# Allegro board RUBUS_20173009.brd (continued)
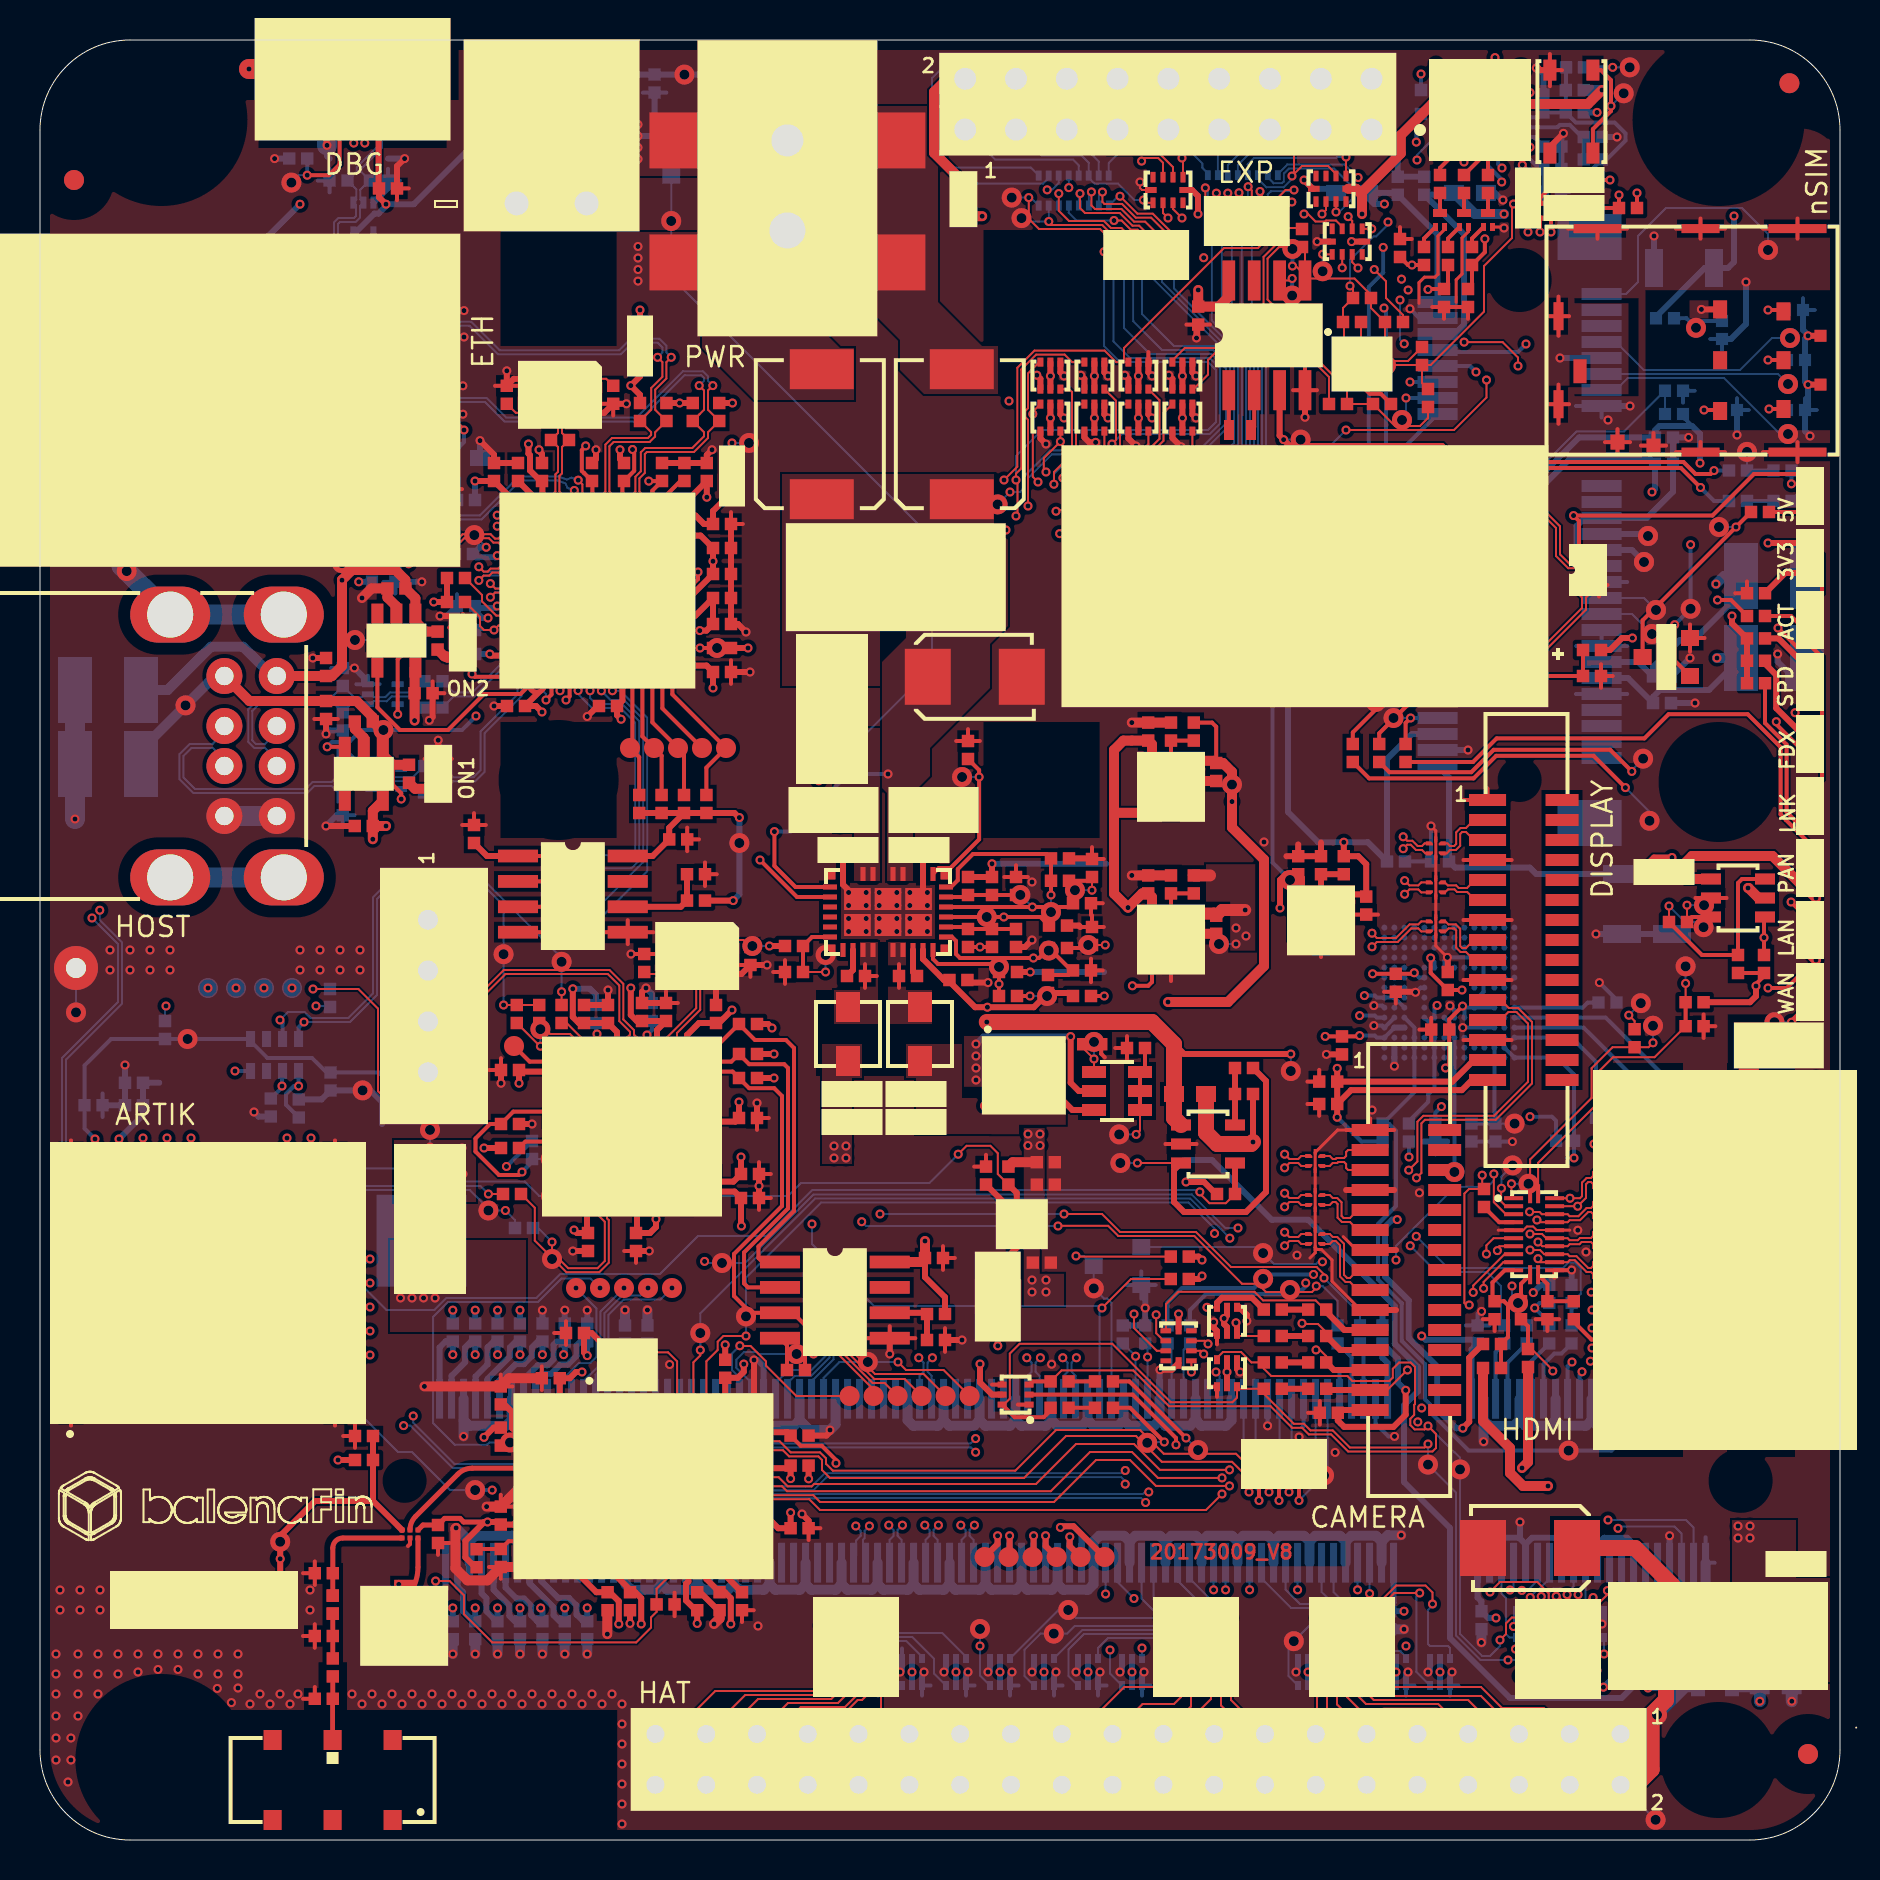
[diagram p0: board, top side]
## Routing (per net, layer and track width the routed paths; a pad name or vN(x,y) marks a point on that pad's centre or on a via; arc(x,y) is an arc through that point) (continued)
+1V8: length 28.7
  TOP w0.3: R21.2 57.93,29.17 v1(58.1,29) ; Y5.4 27.58,25.35 C231.1 27.2,24.38 v1(27.36,24.22) ; v1(58.1,28.2) 57.95,28.05 R22.2
  TOP w0.6: U5.4 58.7,46.32 C39.1 59.1,46.5 v1(60.26,46.5) ; R42.2 58.5,48.23
  BOTTOM w0.1: v2(58.95,44.8) v1(59.8,44.8)
  BOTTOM w0.3: J2.184 24.78,23.01 25.08,23.31 25.56,23.31 26.01,23.77 26.39,23.77 26.83,24.2 26.83,24.73 27.03,24.93 C14.1 v1(27.36,24.22) ; J2.183 25.08,12.93 25.91,12.1 26.45,12.1 26.83,11.72 26.83,11.27 27.16,10.94 C13.2 v1(27.36,11.6) ; v1(26.18,24.27) 26.24,24.33 26.24,24.92 ; J2.185 24.48,12.83 25.68,11.63 25.68,11.24 25.98,10.94 C15.2 v1(26.24,11.6) ; 26.24,24.92 C16.1 ; 26.24,24.92 25.83,24.92 25.68,24.77 25.68,24.04 25.38,23.74 24.89,23.74 24.18,23.03 J2.186
  vias: v1(59.8,45.6) v1(60.3,45.2)
+1V8_CORE: length 16.8
  TOP w0.3: v1(32.99,60.47) 33.32,60.47 C182.1 C184.1 32.77,61.22 U22.38 ; v1(22.49,59.3) 22.57,59.22 U22.15
  INT1 w0.5: v1(32.99,60.47) 32.32,59.8 22.99,59.8 v1(22.49,59.3)
  BOTTOM w0.3: v1(22.49,59.3) C183.2
+1V8_ETHPLL: length 3.6
  TOP w0.3: U22.48 32.78,66.22 33.2,65.8 C186.1 33.65,66.45 L21.2
+1V8_USBPLL: length 16.1
  TOP w0.3: L21.1 v1(34.6,69.85) ; U22.62 25.12,67.93 C185.2 25.03,67.95 24.5,68.48 24.5,69.24 24.42,69.32 v1(24.42,69.8)
  INT2 w0.3: v1(34.6,69.85) 33.78,70.67 24.97,70.67 24.42,70.12 v1(24.42,69.8)
  BOTTOM w0.1: v2(35.45,69.85) v1(34.6,69.85)
+1V8_VCORE: length 28.3
  TOP w0.3: v1(34.6,41.5) 33.95,40.85 C157.2 32.95,40.85 32.35,40.25 U8.2 ; U8.43 34.73,32.42 C167.1 35.05,30.72 v1(35.07,30.7) ; v1(26.7,30.5) 26.85,30.35 C163.1 27.35,30.4 U8.31
  POWER w0.3: v1(34.6,41.5) 34.39,41.29 34.39,31.38 v1(35.07,30.7) 35.05,30.7 34.7,30.35 26.85,30.35 v1(26.7,30.5)
+1V8_WIFI: length 58.7
  TOP w0.2: C195.2 37.53,20.22 38.04,19.71 39.09,19.71 39.8,19 v1(39.8,18.84)
  TOP w0.3: v1(28.94,10.8) 28.94,11.94 28.49,12.39 C197.2 27.82,12.39 MOD1.L9 ; v1(27.1,23.4) 26.8,23.4 26.49,23.09 C196.2 25.99,21.42 MOD1.L1 ; v1(34.54,10.8) 34.54,12.09 34.24,12.39 C194.2 33.32,13.05 MOD1.C9 ; v1(30.06,10.8) 30.06,12.09 29.76,12.39 C198.2 29.5,12.51 MOD1.J9 ; C195.2 37.36,20.39 MOD1.B2
  POWER w0.3: 30.06,10.94 30.14,11.02 30.14,11.03 30.42,11.3 30.81,11.3 34.04,11.3 v1(34.54,10.8) 34.54,18.44 35.1,19 39.64,19 v1(39.8,18.84) ; 30.06,10.94 29.7,11.3 29.3,11.3 28.94,10.94 v1(28.94,10.8) 26.37,10.8 25.77,11.41 25.77,22.77 26.4,23.4 v1(27.1,23.4) ; 30.06,10.94 v1(30.06,10.8)
+2V8: length 94.4
  TOP w0.2: C27.1 58.81,55.66 58.6,55.87 R35.2
  TOP w0.5: U2.4 58.7,53.96 C27.1 59.15,53.85 59.6,53.4 v1(59.6,51.92) 59.6,50.62 61.2,49.02 61.2,43.7 59.4,41.9 v1(56.4,41.9)
  POWER w0.3: v1(25.03,11.6) 25.12,11.69 v1(25.12,24.27)
  POWER w0.5: v1(56.4,41.9) 56.4,31.5 56,31.1 52.93,31.1 52.43,30.6 52.43,23.91 51.72,23.2 31,23.2 29.3,24.9 25.62,24.9 25.12,24.4 v1(25.12,24.27)
  BOTTOM w0.1: v2(59.6,52.77) v1(59.6,51.92)
  BOTTOM w0.3: v1(25.12,24.27) C18.1 24.9,24.93 24.6,24.63 24.6,24.2 24.2,23.79 23.78,23.79 22.98,22.99 J2.190 ; v1(25.03,11.6) 25.12,11.52 C17.2 24.86,10.94 24.56,11.24 24.56,11.71 24.2,12.08 23.82,12.08 23.28,12.62 J2.189
+3V3: length 359.5
  TOP w0.1: R283.2 66.05,74.59 65.26,73.8 ; Q18.5 67.15,73.95 68.4,73.95 R282.1
  TOP w0.2: RR15.14 RR15.13 RR15.12 ; RR15.14 61.45,19 v1(61.4,18.95) ; RR15.14 RR15.15 RR15.16 ; v1(64.26,40.18) C109.2 65.94,40.18 v1(65.98,40.22) ; v1(71.13,41.7) 70.46,41.03 C111.2 70.46,38.78 v1(70.28,38.6) ; v1(56.8,19.76) 56.8,20.1 54.63,22.27 DS1.2 ; R271.2 R273.2 86.2,43.2 85.8,42.8 v1(85.8,42.7) ; v1(66.63,43.31) C112.2 68.66,43.31 v1(68.71,43.36) ; U5.1 55.6,42.9 55.41,42.71 v1(54.62,42.71) ; Q18.2 v1(65.9,73.8) Q18.5 ; v1(69.53,44.1) 69.53,43.35 70.39,42.5 C110.2 v1(71.1,42.5)
  TOP w0.25: 22.22,15.9 21.18,15.9 21,16.08 20.23,16.08 C210.2 19.15,15.75 U26.4
  TOP w0.3: J10.15 65.03,21.5 C61.1 64.89,20.98 65.21,20.66 67.67,20.66 68.28,21.27 v1(68.28,22.48) ; U22.33 33.33,58.72 C179.1 v1(33.65,57.6) ; J3.15 71.6,38 71.09,37.49 65.55,37.49 C11.1 ; R267.1 80.4,48.83 80.7,49.12 v1(81.6,49.12) ; v1(34.97,51.12) 34.95,51.12 34.72,51.35 R206.2 R207.2 ; MOD1.M6 24.69,16.79 23.67,15.77 C191.2 22.91,15.9 v1(22.38,15.9) 22.22,15.9 21.27,14.95 21.27,14.13 21.76,13.64 R220.1 ; R182.2 v1(47.89,24.71) ; v1(37.53,18.07) C192.2 37.4,18.59 MOD1.A4 ; U22.19 25.12,57.57 C181.1 24.8,56.7 v1(25.1,56.4) ; C12.1 70.62,37.92 71.7,39 J3.14 ; C12.1 v1(64.86,38.58) ; C12.1 C11.1 ; R207.2 R208.2 R209.2 ; R207.2 31.46,50.61 C140.1 30.63,49.2 U19.8 ; R169.2 v1(34.66,46.97) ; R219.1 22.69,20.62 v1(22.2,20.14) ; DS5.2 v1(59.35,23.4) DS5.5 ; DS4.5 59.35,25.65 59.21,25.79 v1(59.21,26.08) 59.35,26.22 DS4.2 ; R203.2 v1(35.4,59.6) ; v1(47,23.8) 47,22.88 47.61,22.27 48.1,22.27 ; v1(32.86,10.83) C190.2 32.79,11.49 32.3,11.98 32.3,12.8 32.42,12.92 MOD1.D9 ; v1(57.3,32.9) 58.2,32.9 58.8,32.3 R274.2 ; U6.1 62.87,44.68 62.55,45 62.55,46.96 62.87,47.28 U6.6 63.1,48.1 C43.1 62.29,48.29 62,48 v1(62,46.6) ; U22.39 U22.40 32.57,62.22 C178.1 v1(33.65,63.94) C177.1 33.03,65.22 U22.46 ; v1(85.8,42.7) 85.8,42.19 85.5,41.89 R2.2 ; R240.2 v1(14.9,19) ; v1(79.62,60.1) 79.1,60.1 78.5,59.5 R248.2 ; U22.27 29.12,56.97 C180.1 28.85,56.24 v1(29.05,56.04) ; v1(35.19,23.8) 35.19,23.41 34.89,23.11 C193.2 34.26,21.33 MOD1.B1 ; TVS2.10 v1(56.93,26.3) ; MOD1.A7 36.61,15.89 36.91,15.59 C189.2 v1(37.53,16.37) ; C11.1 v1(64.86,36.14) ; v1(19.69,61.9) R205.2 R212.2 ; L20.1 v1(30,76.5)
  TOP w0.5: U2.1 53.76,51.36 53.7,51.3 ; 53.7,51.3 53.7,54.5 54.17,54.97 C28.1 55.6,54.78 U2.6 ; 53.7,51.3 53.7,47.32 v1(54.4,46.62) 55.11,47.33 C40.1 55.6,47.14 U5.6 ; v1(85.4,47.6) 85.43,47.6 85.93,47.1 Q16.2 ; R245.1 74.4,18.9 v1(74.1,18.6)
  INT1 w0.2: v1(78.54,34.64) 78.54,35.86 77.9,36.5 74.74,36.5 74.5,36.26 v1(74.5,36.16)
  POWER w0.1: v1(35.19,23.8) 34.94,23.8
  POWER w0.3: 74.3,10.4 v1(74.3,10.7) 74.3,11.06 ; 45.8,8.9 v1(45.8,8.4) 45.8,7.92 ; 52.4,8.89 v1(52.4,8.4) 52.4,7.93 ; 54.6,7.97 v1(54.6,8.4) 54.6,8.85 ; 48,7.93 v1(48,8.4) 48,8.88 ; 41.4,8.12 v1(41.4,8.4) 41.4,8.89 ; 43.6,8.89 v1(43.6,8.4) 43.6,8.03 ; v1(37.53,16.37) v1(37.53,18.07) ; 50.2,8.9 v1(50.2,8.4) 50.2,7.94 ; v1(34.66,46.97) 29.82,46.97
  BOTTOM w0.2: 82.6,70.7 82.15,71.15 R246.2 ; R137.2 80.3,35.8 R136.2 80.17,34.58 79.87,34.27 78.91,34.27 v1(78.54,34.64) 78.7,34.8 R138.2 ; R135.2 75.8,35.96 75.6,36.16 v1(74.5,36.16) ; 71.2,41.62 U17.E6 U17.C6 ; 71.2,41.62 71.22,41.6 U17.F5 ; 71.2,41.62 v1(71.13,41.7) ; v1(68.71,43.36) 68.95,43.12 U17.K9 ; R133.2 v1(68.45,34.15) ; U17.J10 69.72,43.91 v1(69.53,44.1) ; R134.2 66.08,34.92 v1(64.86,36.14) ; v1(65.98,40.22) 66.74,40.22 66.84,40.12 U17.P3 U17.N4 ; U17.P5 66.84,41.12 66.74,41.22 v1(65.98,41.22)
  BOTTOM w0.3: v1(24,24.27) C20.1 23.8,24.93 23.5,24.63 23.5,24.18 22.38,23.06 J2.192 ; J2.40 71.58,24.53 C5.1 71.7,25.01 69.27,25.01 v1(69.08,25.2) ; J19.24 71.72,64.9 76.95,70.13 C119.1 80.75,70.49 80.96,70.7 82.6,70.7 83,70.3 v1(83,68.84) ; v1(68.2,11.44) C6.2 67.51,11.71 67.68,11.88 J2.41 ; v1(80.4,7.6) 81.1,7.6 81.62,8.12 R184.1 ; 67.8,7.72 v1(67.8,8.4) DS12.2 ; v1(83.6,24.6) 83.37,24.83 C1.1 ; DS16.5 v1(76.5,10.8) DS16.2 ; R113.1 v1(15.94,62.91) ; 65.6,7.72 v1(65.6,8.4) DS13.2 ; 48,7.72 v1(48,8.4) DS21.5 ; C1.1 82.38,24.34 J2.4 ; C1.1 C2.1 81.78,24.8 J2.6 ; J2.193 22.08,12.33 22.32,12.09 22.32,11.44 22.82,10.94 C21.2 v1(22.88,11.6) ; DS11.5 v1(70,8.4) 70,7.72 ; v1(22.88,24.27) C22.1 22.68,24.93 22.38,24.63 22.38,23.78 21.78,23.18 J2.194 ; DS20.2 v1(50.2,8.4) 50.2,7.72 ; 52.4,7.72 v1(52.4,8.4) DS19.2 ; 63.4,7.72 v1(63.4,8.4) DS14.2 ; v1(72.8,11.1) 72.41,11.1 C4.2 72.07,11.93 71.88,12.12 J2.39 ; DS17.5 v1(74.3,10.7) DS17.2 ; DS15.2 DS15.5 78.7,8.17 v1(78.17,7.64) ; U17.M4 U17.N4 ; J2.200 19.98,24.63 20.28,24.93 C26.1 v1(20.64,24.27) ; J19.2 69.88,80.28 C118.1 67.8,82.36 C116.2 66.41,82.1 66.7,81.8 v1(67.22,81.8) ; C206.2 85.05,62.35 82.7,60 82,60 80.65,58.65 C121.2 79.92,58.9 J19.39 ; v1(21.76,24.27) C24.1 21.56,24.93 21.26,24.63 21.26,23.89 20.58,23.21 J2.198 ; U13.9 17.64,63.94 C85.1 v1(18.43,63.81) ; v1(68.28,22.48) 67.9,22.87 67.9,24.05 C7.1 67.12,24.11 67.38,23.85 J2.42 ; 45.8,7.72 v1(45.8,8.4) DS22.2 ; v1(24,11.6) C19.2 23.74,10.94 23.47,11.21 23.47,11.72 22.68,12.51 J2.191 ; DS18.5 v1(54.6,8.4) 54.6,7.72 ; J2.199 20.28,12.54 20.08,12.34 20.08,11.37 20.51,10.94 C25.2 v1(20.64,11.6) ; v1(84.15,9.88) 84.15,10.25 R5.2 R4.2 ; J2.197 20.88,12.67 21.15,12.4 21.15,11.44 21.65,10.94 C23.2 v1(21.76,11.6) ; J19.52 70.45,53.13 C124.1 70.76,48.62 74.49,48.62 74.81,48.3 C208.1 C209.1 v1(81.6,49.12) ; C205.2 83.45,57.5 81,57.5 80.65,57.15 C122.2 79.4,58.1 J19.41 ; 41.4,7.72 v1(41.4,8.4) DS24.2 ; v1(34.97,51.12) v2(34.97,49.85) 34.97,47.28 v1(34.66,46.97) ; R149.2 80.8,76.16 83.24,78.6 C207.1 84.4,78.6 84.7,78.9 v1(84.7,81.2) ; 43.6,7.72 v1(43.6,8.4) DS23.2 ; R235.2 v1(77.85,86.38)
  BOTTOM w0.5: C206.2 84.2,63.2 v1(83.8,62.8) ; C205.2 v1(83.85,59.1)
  BOTTOM w0.6: v1(85.99,6.94) C113.1 F3.1
  vias: v1(18.02,27.1) v1(18.6,27.1) v1(19.18,27.1) v1(19.75,27.1) v1(49.6,28) v1(49.6,27.4) v1(50.3,28) v1(50.3,27.4)
+3V3_A: length 26.1
  TOP w0.2: 31.09,67.94 C173.2 ; 31.09,67.94 v1(30.44,67.94) ; 31.09,67.94 30.62,67.47 U22.51 ; v1(27.29,69.71) 27.29,69.69 27.09,69.49 27.09,68.46 27.21,68.34 27.21,68.34 C175.2 27.62,67.93 U22.57 ; U22.54 29.12,67.87 C174.2 29.2,67.95 29.71,68.46 29.71,69.44 v1(29.63,69.53)
  TOP w0.3: U22.10 22.92,61.72 22.9,61.7 v1(22.86,61.7) ; v1(33.34,67.14) C172.2 32.17,66.78 U22.49 ; R164.2 v1(34.62,71.85) ; L20.2 30,73.18 v1(29.54,72.72) 30,72.26 R163.2 ; R162.2 v1(31.98,71.85) R165.2 ; U22.64 23.87,66.78 C176.2 v1(21.75,67.95) ; U22.5 v1(22.86,64.22)
  BOTTOM w0.1: v2(21.72,65.25) 21.72,65.24 21.72,65.22 v1(22.31,64.64)
  BOTTOM w0.3: v1(22.31,64.64) 21.99,64.64 C170.2 21.81,64.14 22.78,64.14 v1(22.86,64.22) ; v1(22.86,61.7) 22.77,61.6 22.19,61.6 22.19,61.6 21.85,61.6 C171.2 21.75,61.45 22.1,61.1 v1(22.4,61.1) ; R200.2 v1(21.75,67.95)
+3V3_JTAG: length 31.5
  TOP w0.3: R198.2 45.25,27.14 44.25,28.14 C168.1 ; U8.9 28.85,40.4 C159.2 C161.2 26.94,40.85 26.64,41.15 v1(26.64,42.56) ; v1(30.8,31.05) 30.8,30.65 30.5,30.35 C164.1 29.85,30.4 U8.36 ; v1(36.6,40.6) 36.4,40.8 R191.2 ; U8.5 30.85,40.5 C158.2 C160.2 29.84,40.95 29.54,41.25 v1(29.54,42.6) ; R217.2 v1(22.2,34.6) ; U8.16 24.03,38.42 C162.1 v1(23.95,37.84) ; v1(35.05,34.15) C166.2 34.67,32.92 U8.44 ; R197.1 v1(36.7,38.1) ; U8.50 34.77,35.92 C165.2 v1(34.95,36.9) ; R196.1 v1(36.7,39.3)
  TOP w0.5: U21.8 44.05,28.9 C168.1 v1(44.25,29.95)
  BOTTOM w0.1: v1(19.5,34.65) v2(19.5,35.5)
  BOTTOM w0.3: R192.2 27.8,42.26 27.5,42.56 v1(26.64,42.56)
  vias: v1(21.1,34.6) v1(21.15,33.3)
+3V3_LED: length 49.9
  TOP w0.2: LD17.2 89.1,62.35 89.1,64.25 LD5.2
  TOP w0.3: LD5.2 v1(86.4,64.85) ; LD9.2 88.33,41.65 v1(87.58,40.89) ; v1(84.6,61.2) 84.6,60.83 R174.2 R177.2 R175.2
  TOP w0.5: Q16.4 82.35,48.05 R267.2 82,48.6 82.6,49.2 86.62,49.2 87.97,47.85 LD11.2 88.5,47.4 v1(88.8,47.1) ; v1(88.8,44) 88.5,44.3 LD10.2
  POWER w0.5: 88.67,44 v1(88.8,44) ; 88.67,44 88.17,44.5 88.17,45.92 88.77,46.52 88.77,47.07 v1(88.8,47.1) 88.8,56.55 84.6,60.75 v1(84.6,61.2) 84.6,63.05 v1(86.4,64.85) ; 88.67,44 87.58,42.9 v1(87.58,40.89)
  BOTTOM w0.1: v1(87.58,40.89) v2(86.72,40.89)
+3V3_ON: length 126.2
  TOP w0.1: v1(66.71,78.52) 67.3,77.94 67.3,77.1 68.15,76.25 R289.1
  TOP w0.2: R288.2 67.55,71.8 67.04,72.31 66.49,72.31 v1(65.9,72.9)
  TOP w0.3: 52.72,70.44 v1(52.72,71.1) DS9.5 ; MOD2.29 v1(3.95,35.05) ; 54.92,70.44 v1(54.92,71.1) DS8.5 ; DS27.2 v1(52.72,73.2) DS27.5 ; v1(47.6,48.81) R258.2 C221.1 ; v1(57.9,81.3) 57.9,82.2 57.6,82.5 TVS6.10 ; DS10.5 v1(50.52,71.1) 50.52,70.44 ; R254.2 v1(49.51,43.4) ; DS28.5 v1(50.52,73.2) DS28.2 ; DS26.5 v1(54.92,73.2) DS26.2 ; DS25.2 v1(57.12,73.2) DS25.5 ; 57.12,70.44 v1(57.12,71.1) DS7.5 ; TVS7.10 v1(65.58,79.92)
  TOP w0.5: TVS18.10 65.8,82.56 66.1,82.26 ; R180.2 48.64,33.89 C151.1 ; 66.1,82.26 v1(66.1,81.3) ; 66.1,82.26 66.1,82.39 68.04,84.33 68.04,85.24 69.6,86.8 77.4,86.8 v1(78.1,87.5) ; F2.2 v1(47.11,81.19)
  INT1 w0.1: v1(8.4,42.6) 8.4,39.5 v1(3.95,35.05)
  INT1 w0.2: v1(65.9,72.9) 62.4,72.9 58.4,76.9 58.4,78.9 v1(58.18,79.12)
  BOTTOM w0.3: 57.2,34 58.6,34 61.59,31.01 63.42,31.01 67.74,26.69 67.74,24.81 68.9,23.65 68.9,22.43 68.2,21.73 68.2,17.9 70.5,15.6 70.5,10.1 73.5,7.1 79.08,7.1 R183.1 ; 17.1,35.8 17.1,36.9 16.52,37.48 v2(16.13,37.48) R118.2 14.08,37.03 R128.2 ; v1(47.6,48.81) 53.31,48.81 ; v1(3.95,35.05) 5.15,36.25 C92.1 C93.1 5.96,37.86 ; v1(49.51,43.4) 53.2,43.4
  BOTTOM w0.5: R236.2 v1(78.1,87.5)
  vias: v1(39.7,34.7) v1(39.7,34.1) v1(40.3,34.7) v1(40.3,34.1) v1(49.4,35.3) v1(49.4,34.72) v1(50,35.3) v1(50,34.72) v1(53.4,65.6) v1(54.6,65.6) v1(55.8,65.6) v1(57,65.6)
+5V: length 126.6
  TOP w0.2: v1(36,49) 37.85,47.15 U27.12 ; TVS17.5 76.95,65.95 v1(76.68,66.22) 83.62,66.22 85.7,68.3 88.15,68.3 LD4.2
  TOP w0.3: v1(51.53,40.17) 51.53,37.86 51.94,37.45 Q15.5 ; v1(60.65,34.9) R272.2
  TOP w0.5: R244.1 72.15,20.95 73.5,19.6 73.5,18.35 74.15,17.7 v1(75.4,17.7) ; LD8.4 LD8.5 LD8.6 70.88,88.2 v1(70.4,88.2) ; U23.8 59.44,77.17 58.94,76.67 C188.1 v1(57.91,77.5)
  TOP w0.8: v1(60.65,34.9) 60.55,34.8 Q17.2 58.87,34.8 58.3,35.37 R268.1
  INT1 w0.2: v1(76.68,66.22) 75.65,65.2 v1(58.2,65.2)
  INT2 w0.5: v1(58.2,65.2) v1(58.2,58.4)
  POWER w0.2: v1(40,50.7) 38.3,49 v1(36,49)
  POWER w0.5: v1(70.4,88.2) 68.1,85.9 68.1,79.1 66.13,77.12 65.26,77.12 64.89,77.5 v1(57.91,77.5) 58.8,76.61 58.8,65.8 v1(58.2,65.2)
  POWER w0.8: v1(60.65,34.9) 61.02,35.27 61.02,47.27
  BOTTOM w0.1: v1(58.2,58.4) v2(59.05,58.4)
  BOTTOM w0.3: v1(51.53,40.17) 47.17,40.17 v1(46.8,39.8)
  vias: v1(40,51.7) v1(40.37,52.2) v1(40.37,51.2) v1(46.8,39.2) v1(46.8,38.6) v1(46.8,38) v1(84.9,15.7) v1(84.9,15.1) v1(85.5,15.7) v1(85.5,15.1)
+5V_DEV: length 107.4
  TOP w0.3: R243.1 71.46,24.11 71.46,20.91 v1(71.14,20.59) ; 56.7,39.8 57.2,39.3 v1(62.54,39.3)
  TOP w0.5: C63.1 v1(17.3,50.7) ; C63.1 16.64,51.46 U10.5 ; C63.1 v1(16.64,50.04) ; U12.5 18.73,58.58 C75.1 v1(18.73,55.97)
  TOP w0.8: Q17.4 56.7,36.1 R268.2 56.7,39.8 55.6,40.9 v1(47.34,40.9)
  INT1 w0.3: v1(67.86,31.02) 67.86,34.93 67.16,35.63 63.05,35.63 62.54,36.14 v1(62.54,39.3)
  POWER w0.8: v1(47.34,40.9) 47,40.9 46.2,41.7 46.2,46.57 44.67,48.1 32.8,48.1 30.7,50.2 30.7,56.9 29.4,58.2 22.52,58.2 21.53,57.2 19.65,57.2 18.73,56.28 v1(18.73,55.97) 18.74,55.96 18.74,54.86 18.9,54.7 18.9,51.86 17.74,50.7 v1(17.3,50.7) v1(16.64,50.04)
  BOTTOM w0.1: v1(62.54,39.3) v2(62.54,38.45)
  BOTTOM w0.3: v1(67.86,31.02) 67.61,31.02 67.25,30.65 67.25,28.17 68.44,26.98 68.44,25.1 69.86,23.68 69.86,21.54 70.81,20.59 v1(71.14,20.59)
+5V_INT: length 12.6
  TOP w0.2: C220.1 v1(47,44.65) R257.2 ; R255.2 v1(49.5,42.2)
  TOP w0.3: Q14.5 51.62,36.5 Q15.6
  INT1 w0.2: v1(47,44.65) 47.57,44.65 49.5,42.72 v1(49.5,42.2)
  INT1 w0.3: v1(49.5,42.2) v1(49.5,39.66)
  BOTTOM w0.1: v1(49.5,42.2) v2(50.35,42.2)
+5V_USB_DBG: length 43.2
  TOP w0.3: J13.1 16.93,82.6 C88.1 16.95,82.14 v1(17.3,81.79)
  INT1 w0.3: v1(17.3,81.79) v1(13,81.79)
  BOTTOM w0.3: R237.2 v2(24.99,86.28) 23.19,86.28 18.69,81.79 v1(17.3,81.79) 17.3,81.7 16.92,81.32 16.72,81.32 15.78,80.38 TVS5.5 ; v1(13,81.79) 10.8,79.59 10.8,65.6 11.3,65.1 R116.2 12.07,64.67 Q6.1
GND_DIGITAL: length 804.8
  TOP w0.1: TVS6.5 55.1,82.5 55,82.6 v1(55,82.9) ; U1.18 75.72,30.5 74.83,30.5 74.66,30.68 74.34,30.68 74.16,30.49 U1.5
  TOP w0.15: 63.5,29.1 63.76,29.36 L13.5 ; v1(70.37,44.13) 69.79,44.71 L4.6 L4.5 L3.6 L3.5 L2.6 L2.5 69.79,50.46 v1(69.55,50.7) ; 65.16,30.16 65.83,29.5 J10.7 ; Q9.2 70.22,80.53 69.9,80.2 69.9,78.29 69.75,78.14 69.22,78.14 68.95,77.87 68.95,76.83 ; L13.5 63.86,29.52 64.07,29.52 64.6,29 64.6,27.93 66.03,26.5 J10.10 ; L13.5 L13.6 L12.5 L12.6 L11.5 L11.6 64.88,35.5 65.3,35.5 ; 70.81,76.89 70.81,78.01 71.1,78.3 71.1,80.1 71.42,80.42 Q8.2 ; U1.5 72.91,30.49 ; Q7.2 73.15,80.65 v1(73.2,80.6) ; U1.18 76.49,30.49
  TOP w0.2: 15.43,22.2 MOD2.12 14.75,20.72 ; 45.25,24.41 R199.1 45.25,25.59 ; 75.73,28.11 U1.13 76.48,28.49 ; 23.93,72.71 C148.2 22.75,72.71 ; 87.88,68.89 J22.8 ; J22.8 86.15,69.39 ; J22.8 87.88,69.9 ; 13.74,12.75 L10.1 ; L10.1 13.15,13.34 ; L10.1 13.74,13.93 ; 21.14,59.94 LD16.1 ; LD16.1 21.14,61.3 ; LD16.1 20.46,60.62 ; 26.3,24.76 C231.2 ; C231.2 25.71,25.35 ; C231.2 26.3,25.94 ; 63.96,36.21 C11.2 63.37,36.8 ; U23.4 63.25,73.77 ; U23.4 63.85,72.49 ; U23.4 62.65,72.49 ; 69.61,76.65 R151.1 ; R151.1 70.2,76.06 ; R151.1 70.79,76.65 ; 33.25,47.7 R171.1 ; R171.1 33.25,48.88 ; R171.1 33.84,48.29 ; 75.92,70.81 J22.12 ; J22.12 75.4,71.79 ; J22.12 76.45,71.79 ; J22.12 75.92,72.77 ; 82.77,47.1 Q16.5 84.33,47.1 ; 58.42,22.66 DS5.1 58.85,22.16 ; 28.66,71.22 C147.2 28.07,71.81 ; 29.39,44.79 U19.5 ; U19.5 28.11,45.39 ; U19.5 29.39,45.99 ; U19.5 30.67,45.39 ; 68.97,40.52 C111.1 ; C111.1 69.56,41.11 ; C111.1 69.56,39.93 ; 19.63,57.93 C75.2 20.22,57.34 ; J10.1 66.51,36.08 ; J10.1 67.71,35.5 ; J10.1 65.3,35.5 ; 72.38,52.58 J3.1 71.17,52 ; 23.04,23.27 R222.1 23.63,22.68 ; 82.5,59.42 Q13.2 ; Q13.2 83.23,60.1 ; Q13.2 82.5,60.78 ; J22.9 83.03,69.9 ; J22.9 84.25,69.39 ; J22.9 81.8,69.39 ; 22.45,13.65 R221.1 23.04,13.06 ; J22.14 76.45,76.19 ; J22.14 75.4,76.19 ; J22.14 75.92,75.21 ; J22.14 75.92,77.17 ; R266.1 49.39,48.15 ; R266.1 48.21,48.15 ; R266.1 48.8,48.74 ; DS1.1 48.89,21.77 ; 55.85,73.89 DS26.1 55.42,74.4 ; R170.1 21.7,51.34 ; R170.1 22.29,50.75 ; R170.1 21.11,50.75 ; 15.75,19.61 R275.1 ; R275.1 15.16,20.2 ; R275.1 15.75,20.79 ; C3.2 83.77,40.69 ; C3.2 83.18,41.28 ; C3.2 83.18,40.1 ; 68.59,80.05 R152.1 68,80.64 ; MOD2.1 1.55,23.68 ; MOD2.1 1.55,20.72 ; MOD2.1 0.87,22.2 ; 57.83,34.8 Q17.5 56.27,34.8 ; 73.58,49 J3.4 71.17,49 ; RR15.11 62.95,19.55 v1(62.95,20.15) ; R260.1 53.06,39.31 53.24,39.13 ; 74.78,26.04 C10.2 ; C10.2 75.96,26.04 ; C10.2 75.37,25.45 ; 36.66,43.4 R264.1 ; R264.1 37.25,42.81 ; R264.1 37.25,43.99 ; 19.91,53.38 LD15.1 ; LD15.1 20.59,54.06 ; LD15.1 19.23,54.06 ; U21.5 42.49,25.69 ; U21.5 43.77,25.09 ; U21.5 41.21,25.09 ; R262.1 54.35,40.19 ; R262.1 53.76,39.6 ; R262.1 54.35,39.01 ; 35.95,33.89 C166.1 36.54,33.3 ; J22.16 84.25,80.57 ; J22.16 83.03,80.07 ; J22.16 81.8,80.57 ; J22.16 83.03,81.07 ; 73.58,40 J3.13 71.17,40 ; 63.96,38.51 C12.2 63.37,37.92 ; 47.6,22.77 48.1,22.77 48.1,23.2 ; 56.55,42.95 U5.2 ; 0.87,33.5 MOD2.31 ; MOD2.31 1.55,32.02 ; MOD2.31 1.55,34.98 ; 14.75,34.98 MOD2.20 15.43,33.5 ; TVS17.3 78.38,62.75 ; TVS17.3 77.95,63.33 ; TVS17.3 77.95,62.17 ; PB1.2 76.1,88.5 ; PB1.2 75.5,87.69 ; PB1.2 75.5,89.3 ; 64.05,45.21 U6.2 64.05,44.15 ; C201.2 13.74,10.79 ; C201.2 13.15,10.2 ; C201.2 13.74,9.61 ; 17.85,81.99 C88.2 18.44,82.58 ; 46.71,33.67 C152.2 47.3,34.26 ; 52.6,49.64 C213.1 53.19,49.05 ; J22.10 80.67,70.35 ; J22.10 81.3,69.72 ; J22.10 80.05,69.72 ; 72.14,26.04 C9.2 72.73,25.45 ; 34.55,66.39 C186.2 35.14,65.8 ; 35.85,35.51 C165.1 36.44,36.1 ; 52.01,45.65 C216.1 ; C216.1 53.19,45.65 ; C216.1 52.6,46.24 ; 18.4,14.7 18.5,14.8 U26.2 ; 57.91,75.18 C188.2 ; C188.2 58.5,75.77 ; C188.2 57.32,75.77 ; 53.14,46.84 C214.1 52.55,46.25 ; 38.43,15 C189.1 39.02,15.59 ; 13.15,7.06 C60.2 13.74,7.65 ; 67.2,42.41 C112.1 67.79,41.82 ; 31.3,42.44 C158.1 31.89,41.85 ; 22.46,38.5 C162.2 23.05,39.09 ; 13.71,56.05 C70.2 14.89,56.05 ; 78.25,69.89 J22.11 ; J22.11 78.88,69.24 ; J22.11 78.88,70.55 ; J22.11 79.5,69.89 ; 29.8,28.86 C164.2 29.21,29.45 ; 21.1,67.55 J20.8 18.73,66.89 ; 77.88,80.07 J22.15 ; J22.15 79.35,80.57 ; J22.15 76.4,80.57 ; R263.1 46.4,55.54 ; R263.1 46.99,54.95 ; R263.1 45.81,54.95 ; 31.73,11.19 R218.1 31.73,12.37 ; 70.81,76.65 R150.1 71.4,76.06 ; 19.9,14.26 C210.1 20.49,14.85 ; 84.76,62.34 R67.1 85.35,62.93 ; 32.36,49.44 C140.2 ; C140.2 32.95,50.03 ; C140.2 32.36,50.62 ; 35.1,10.9 C199.1 35.69,11.49 ; 73.58,46 J3.7 71.17,46 ; 45.15,28.51 C168.2 ; C168.2 45.74,29.1 ; C168.2 45.15,29.69 ; 35.95,31.51 C167.2 36.54,32.1 ; C211.2 78.05,58.79 ; C211.2 78.64,58.2 ; C211.2 78.05,57.61 ; 66.9,46.27 C42.2 65.72,46.27 ; 58.85,24.78 DS4.4 58.42,25.29 ; 87.88,80.07 J22.17 ; J22.17 86.15,80.57 ; J22.17 87.88,81.07 ; v1(29.55,44.3) C45.2 31.06,44.3 Y3.2 ; 34.93,43.75 C44.2 35.52,43.16 ; C217.1 53.14,43.48 ; C217.1 52.55,42.89 ; C217.1 52.55,44.07 ; 23.04,17.26 C191.1 23.63,16.67 ; 73.58,43 J3.10 71.17,43 ; 25.09,22.5 C196.1 25.09,23.68 ; 63.99,20.77 C61.2 ; C61.2 63.99,21.95 ; C61.2 63.4,21.36 ; 34.55,58.99 C179.2 34.55,57.81
  TOP w0.3: C179.2 v1(35.5,58.4) ; v1(52.04,73.24) 52.22,73.06 DS27.4 ; v1(57.06,69.66) 56.62,70.1 56.62,70.44 ; C70.2 v1(14.3,55.3) ; v1(33.6,69.51) 33.34,69.25 C172.1 R202.2 C173.1 ; v1(60,23.4) 59.85,23.55 DS5.4 ; J22.5 v1(83.07,76.53) ; 64.05,49.87 R52.1 C43.2 ; DS26.4 54.42,73.06 v1(54.24,73.24) ; C161.1 C159.1 v1(28.4,42.5) ; v1(49.6,45) 49.25,44.65 R265.1 ; DS28.4 50.02,73.06 v1(49.84,73.24) ; DS26.1 55.42,73.38 v1(55.6,73.2) ; v1(47.4,42.87) 46.5,42.87 C226.2 ; v1(51.2,73.2) 51.02,73.38 DS28.1 ; v1(20,61.2) 20.56,61.2 LD16.1 ; C164.2 v1(30.46,29.45) ; MOD1.E9 30.92,13.49 29.42,13.49 MOD1.H9 MOD1.G8 MOD1.F8 30.62,16.12 v1(30.7,16.2) ; MOD1.B5 33.49,17.69 v1(33,17.2) ; v1(53.4,71.1) 53.22,71.28 DS9.4 ; v1(55.6,71.1) 55.42,71.28 DS8.4 ; v1(39.5,20.5) 39.5,20.4 39.32,20.22 C195.1 ; C213.1 52.57,49.08 C212.1 ; C112.1 68.75,42.41 v1(68.78,42.39) ; 52.22,70.44 52.22,70.13 52.47,69.88 v1(52.78,69.88) ; PB1.1 75.5,84.66 v1(76.17,85.33) ; C88.2 17.85,83.69 v1(18.23,84.07) ; U22.34 31.83,59.22 31.5,59.55 30.79,59.55 v1(29.92,60.42) v1(28.55,61.79) U22.65 v1(28.55,63.15) 29.4,64 31.48,64 31.7,64.22 U22.44 ; v1(53.4,73.2) 53.22,73.38 DS27.1 ; MOD1.A1 35.7,21.52 v1(35.7,24) ; U8.41 32.35,32.92 v3(32.22,33.05) v3(30.47,34.8) U8.57 ; C43.2 62.32,49.19 ; C43.2 62.91,49.78 ; v1(56.44,73.24) 56.62,73.06 DS25.1 ; 65.3,32.5 J10.4 67.71,32.5 ; J1.11 81.2,28.5 ; DS4.4 58.85,25.45 58.68,25.62 v1(58.68,25.9) ; v1(23.34,73.46) C148.2 23.69,73.06 Y2.2 ; C194.1 33.91,11.49 33.01,12.39 C190.1 ; C215.1 51.94,45.72 52.01,45.65 ; v1(27.8,69.51) 27.8,69.05 C175.1 ; TVS7.5 v1(63.86,79.92) ; v1(57.83,75.1) 57.83,75.69 C188.2 ; C79.2 v1(13.64,59.1) ; C192.1 v1(38.43,18.06) ; C63.2 v1(14.3,50.7) ; v1(57.8,73.2) 57.62,73.38 DS25.4 ; C193.1 v1(34.26,24.76) ; v1(50.3,69.8) 50.02,70.08 50.02,70.44 ; U8.57 30.45,35.67 32.7,33.42 U8.45 ; U8.57 29.35,35.92 ; C158.1 C160.1 30.1,42.4 v1(30.3,42.6) ; C223.2 40.15,48.95 U27.10 40.15,47.77 U27.37 ; TVS2.5 56.59,23.51 v1(56,23.51) ; J1.5 81.2,31.5 ; C166.1 v1(35.95,32.7) C167.2 ; U8.21 29.35,35.92 ; 29.35,35.92 v3(28.73,36.54) 28.12,37.15 28.12,38.54 28.35,38.77 U8.10 ; v1(63.2,83) 63.64,82.56 TVS18.5 ; v1(36.35,43.75) C44.2 35.07,43.3 Y3.4 33.8,43.14 C157.1 ; 27.42,56.17 v1(27.36,56.17) 27.89,56.7 C180.2 ; J13.5 14.33,84.83 14.35,84.81 v1(14.35,84.73) ; C75.2 19.63,56.15 v1(19.47,55.98) ; DS7.4 57.62,71.28 v1(57.8,71.1) ; v1(26.64,29.45) C163.2 ; J20.8 v1(16.25,67.55) ; J1.8 81.2,30 ; J10.7 67.8,29.5 ; v1(54.8,69.7) 54.42,70.08 54.42,70.44 ; C174.1 29,69.05 v1(29,69.51) ; PB1.2 75,88.5 74.9,88.6 v1(74.82,88.6) ; C162.2 v1(23.05,37.84) ; C189.1 38.43,15.97 v1(38.1,16.3) ; J1.2 81.2,33 ; 89.03,75.21 v1(88.4,75.21) ; J10.10 67.8,26.5 ; C186.2 C177.2 C178.2 C184.2 C182.2 34.9,60.8 v1(35.3,60.4) ; C109.1 v1(64.32,39.28) ; C50.2 v1(24.6,35.8) ; Y2.4 28.21,71.36 C147.2 v1(29.32,71.81) ; v1(70.37,44.13) 70.39,44.11 C110.1 ; 89.03,72.77 v1(88.4,72.77) ; U21.5 v1(42.49,24.3) ; C185.1 25.1,69.3 24.95,69.45 v1(24.95,69.51) ; v1(51.2,71.1) 51.02,71.28 DS10.4 ; v1(60.34,25.95) 60.34,26.26 59.97,26.64 DS4.1 ; C181.2 v1(22.7,56.7) ; C198.1 v1(29.5,10.83) ; R199.1 v1(46.1,25) ; J1.17 81.14,25.5 ; LD15.1 v1(19.91,54.99) ; U23.4 v1(63.25,71.14) ; MOD1.F1 30.62,21.92 ; C225.2 44.15,48.9 U27.2 44.15,47.27 U27.33 ; C165.1 v1(35.85,36.85) ; R201.2 C176.1 22.7,69.27 v1(22,69.97)
  TOP w0.5: C27.2 56.84,52.95 U2.7 U2.2 ; v1(16.1,62.1) 16.58,62.58 C76.2 17.37,62.13 17.82,61.68 U12.2 ; v1(20.81,15.61) 20.77,15.57 20.77,13.59 21.38,12.98 22.37,12.98 R221.1 24.38,13.65 24.87,14.14 ; C194.1 33.98,11.08 v1(33.7,10.8) ; C39.2 56.84,45.31 U5.7 U5.2 ; C196.1 23.45,23.09 R222.1 v1(19.22,22.68) ; v1(24.4,19.5) 25.21,19.5 MOD1.M3 MOD1.M4 MOD1.M5 MOD1.N5 24.06,17.69 C191.1 v1(22.33,16.67) ; J9.3 v1(18.1,10.46) J9.2 ; v1(28.37,10.29) 28.37,11.47 C197.1 ; R46.1 C40.2 v1(54.59,48.23) ; v1(15.9,53.8) 16.19,54.09 U10.2 16.19,55.11 15.74,55.56 C64.2 ; v1(54.59,55.87) C28.2 R37.1
  TOP w1: BAT1.2 v1(52.67,61.09)
  GND w0.1: v1(38.1,16.3) 38.32,16.3
  INT1 w0.1: 73.8,32.19 72.01,32.19
  POWER w0.3: v1(77.1,10.8) v1(78.1,10.8)
  BOTTOM w0.1: TP21.1 v2(1.8,41.38)
  BOTTOM w0.2: 17.18,62.91 C85.2 17.77,62.32 ; 13.08,65.89 Q6.2 ; Q6.2 13.81,66.57 ; Q6.2 13.08,67.25 ; 70.5,7.22 70.5,7.72 70.93,7.72 ; 30.14,87.37 R32.1 31.32,87.37 ; 30.01,41.85 R193.1 31.19,41.85 ; 71.29,25.73 C5.2 ; C5.2 71.88,26.32 ; C5.2 72.47,25.73 ; 55.06,27.07 Q1.2 ; Q1.2 55.06,28.43 ; Q1.2 55.79,27.75 ; Q1.2 54.33,27.75 ; 66.1,7.22 66.1,7.72 66.53,7.72 ; 74.8,9.62 DS17.1 75.23,10.12 ; 77.43,10.12 DS16.1 77,9.62 ; U17.P6 67.12,41.72 v1(66.69,41.72) ; v1(70.5,41.71) 70.72,41.49 U17.G5 ; J2.44 66.78,20.82 67.42,20.18 v1(67.72,20.18) ; 76.8,57.3 J19.43 79.36,57.3 ; 68.3,7.22 68.3,7.72 68.73,7.72 ; 15.73,51.24 C68.2 15.14,50.65 ; 83.28,15.14 J2.1 83.73,13.86 ; v1(71.14,40.62) U17.D4 U17.C4 ; J19.37 79.36,59.7 ; J19.37 76.8,59.7 ; J19.37 J19.35 ; J19.40 v1(68.47,58.5) ; 15.82,57.79 TVS4.3 ; TVS4.3 16.97,57.79 ; TVS4.3 16.39,58.22 ; 3.13,36.15 C91.2 3.13,37.33 ; 48.93,7.72 48.5,7.72 48.5,7.22 ; 64.33,7.72 63.9,7.72 63.9,7.22 ; 79.2,10.63 DS15.4 79.63,10.12 ; J19.26 v1(68.47,64.1) ; C78.2 v1(15.72,58.6) ; C78.2 14.55,58.6 ; C78.2 15.14,59.19 ; 82.87,26.32 C1.2 83.46,25.73 ; J19.18 v1(68.48,67.3) ; J19.18 69.88,67.88 ; J19.18 71.16,67.3 ; R139.1 78.82,42.02 v1(77.97,42.87) ; 20.85,62.29 C171.1 20.26,61.7 ; v1(68.5,76.56) 68.96,76.1 J19.4 ; 51.13,7.72 50.7,7.72 50.7,7.22 ; 76.8,71.7 J19.15 78.08,71.12 ; 84.85,72.09 C156.2 85.44,71.5 ; 46.73,7.72 46.3,7.72 46.3,7.22 ; 17.99,82.97 C87.2 17.4,83.56 ; J2.56 63.18,20.71 63.1,20.63 ; 44.1,7.22 44.1,7.72 44.53,7.72 ; 52.9,7.22 52.9,7.72 53.33,7.72 ; 64.98,20.78 J2.50 64.98,23.34 ; 82.74,72.46 R247.1 82.15,71.87 ; 16.57,53.98 TVS3.3 17.15,53.55 ; 20.26,59.3 C183.1 20.85,58.71 ; U17.N5 U17.P4 67.12,40.72 v1(66.69,40.72) ; 84.1,74.46 R189.1 83.51,75.05 ; 42.33,7.72 41.9,7.72 41.9,7.22 ; 13.89,82.97 C86.2 ; C86.2 14.48,83.56 ; C86.2 14.48,82.38 ; U17.H10 70.22,43.98 v1(70.37,44.13) 71.91,44.13 72.18,43.86 72.18,42.41 71.89,42.12 U17.E7 ; 43.1,9.58 DS23.1 42.67,9.07 ; 31.56,84.43 Q3.2 ; Q3.2 31.56,85.79 ; Q3.2 32.29,85.11 ; Q3.2 30.83,85.11 ; 55.53,7.72 55.1,7.72 55.1,7.22 ; 76.8,62.9 J19.29 79.36,62.9 ; v1(69.55,50.7) C124.2 C123.2 ; v1(73.62,34.92) C107.1 C108.1 ; 88.15,77.09 C153.2 88.74,76.5 ; J2.62 v1(61.38,20.71) ; v1(68.78,42.39) 68.8,42.39 69.03,42.62 U17.K8 ; 88.84,71.5 C155.2 88.25,72.09 ; v1(68.47,60.9) J19.34